# Altium PCB STM32MP25XXAK_LPDDR4_ascii.PcbDoc (part 2 of 5) (continued)
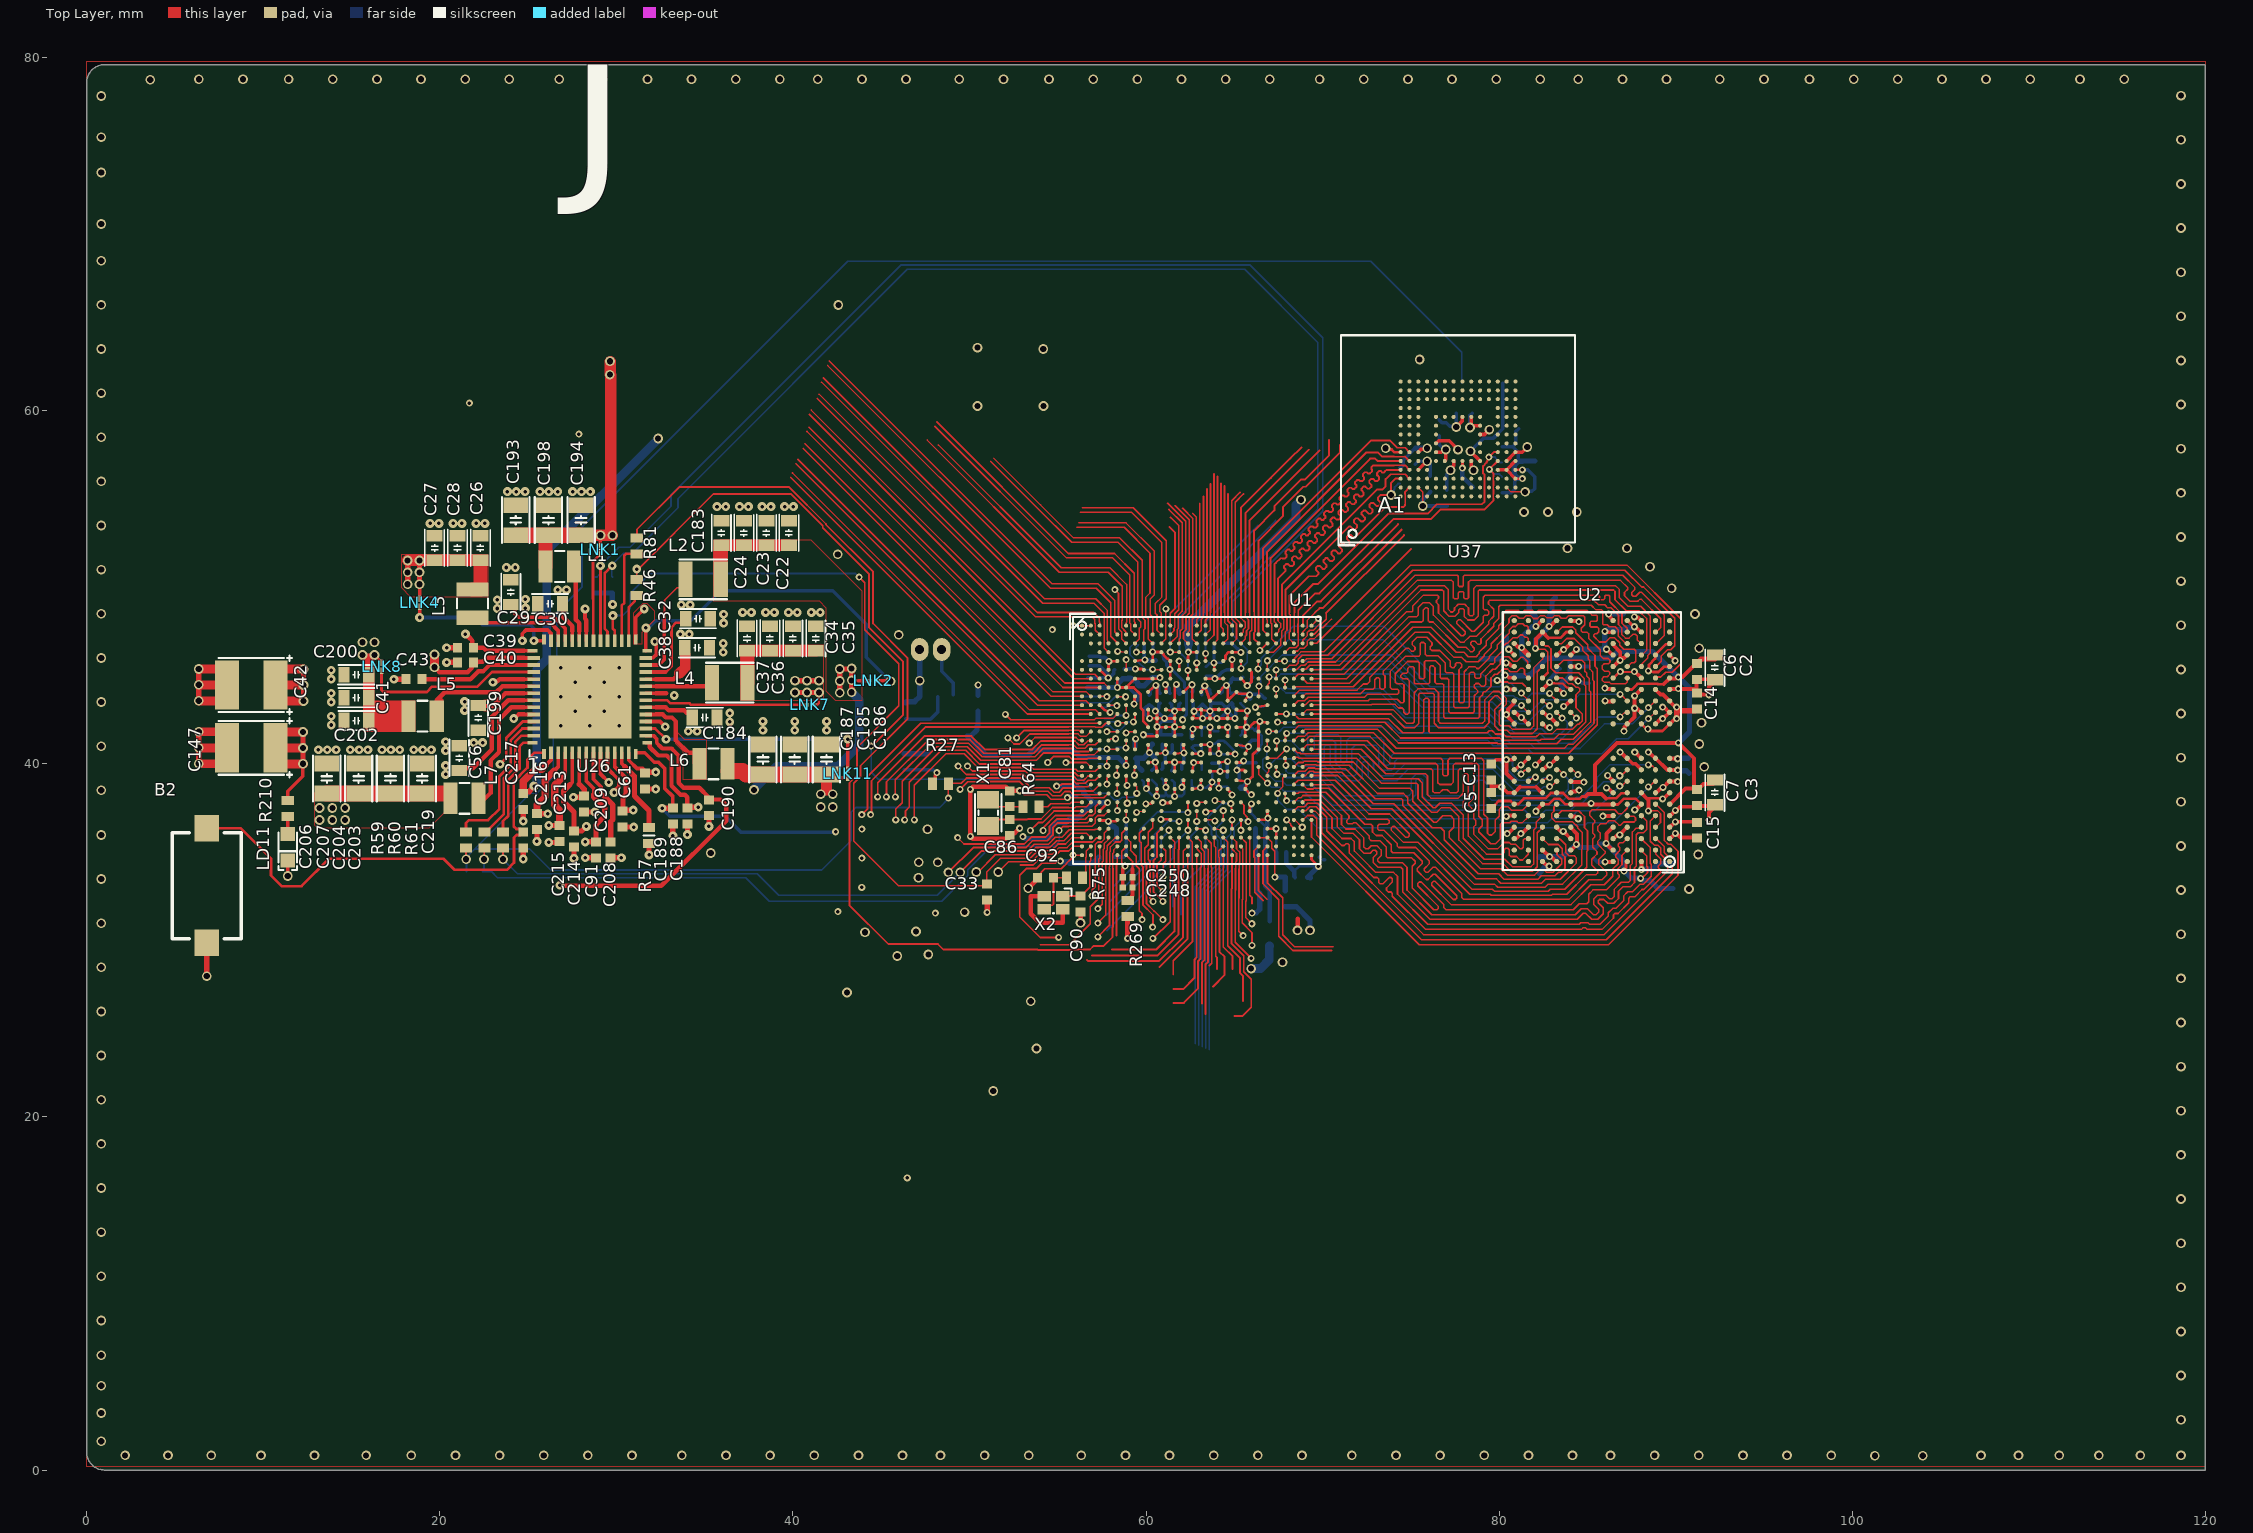
[diagram p0: Top Layer view]
## Nets (pads, with @x,y where several pads share a name; then routed paths per layer and width w, separated by ;. In a path a pad name is that pad's centre, name@x,y a point inside that pad or via, vN(x,y) a via of type N, cw(c..) or ccw(c..) an arc to the next point about the centre after c; other vN are vias at no path point) (continued)
DDR_DQ2_B: U1.F24 U2.V2 | length 29
  Top Layer w0.09: U1.F24@67.875,45.325 68.125,45.575 68.479,45.575 68.625,45.721 68.625,45.929 68.845,46.149 70.294,46.149 75.115,50.97 87.122,50.97 88.076,50.016 88.182,50.016 89.945,48.253 89.945,46.697 89.717,46.469 89.542,46.469 89.187,46.114 89.187,45.804 88.877,45.494 U2.V2@88.859,45.494
DDR_DQ3_A: U1.AC27 U2.F2 | length 30.5
  Top Layer w0.09: U1.AC27@69.375,36.825 69.375,35.856 75.481,29.75 86.194,29.75 90.135,33.691 90.135,35.043 89.738,35.44 89.582,35.44 89.364,35.658 89.364,37.233 88.882,37.715 U2.F2@88.86,37.715
DDR_DQ3_B: U1.E25 U2.U2 | length 29.8
  Top Layer w0.09: U1.E25@68.375,45.825 68.402,45.852 68.402,45.96 68.781,46.339 70.074,46.339 74.995,51.26 87.242,51.26 90.317,48.185 90.317,45.697 89.814,45.194 89.434,45.194 89.159,44.919 88.934,44.919 U2.U2@88.859,44.844
DDR_DQ4_A: U1.W25 U2.F4 | length 29.9
  Top Layer w0.09: U1.W25@68.374,38.826 68.623,39.075 70.717,39.075 72.632,37.16 73.793,37.16 74.916,36.037 74.916,35.923 74.835,35.842 74.699,35.842 74.088,36.454 73.97,36.454 73.882,36.366 73.882,36.249 74.58,35.551 75.401,35.551 78.342,32.61 79.496,32.61 79.557,32.55 82.962,32.55 83.022,32.61 83.838,32.61 84.956,33.728 85.488,33.728 85.578,33.818 85.578,33.949 85.251,34.276 85.251,34.598 85.548,34.895 85.548,35.03 85.309,35.269 85.309,35.744 85.409,35.844 85.409,35.988 85.309,36.088 85.309,36.579 85.409,36.679 85.409,36.791 85.129,37.071 85.129,37.261 85.267,37.399 86.546,37.399 86.783,37.162 86.93,37.162 87.255,37.487 U2.F4@87.255,37.71
DDR_DQ4_B: U1.J25 U2.U4 | length 28.2
  Top Layer w0.09: U1.J25@68.375,43.825 68.375,43.842 68.71,44.177 71.957,44.177 72.305,44.525 72.536,44.525 72.664,44.653 72.664,44.884 75.234,47.454 76.021,47.454 77.447,46.028 77.89,46.028 78.138,45.78 78.821,45.78 79.158,46.117 79.158,46.196 79.557,46.596 79.557,46.81 80.273,47.527 ; 80.274,47.527 80.274,47.693 80.564,47.982 80.564,48.222 80.742,48.4 80.978,48.4 81.135,48.243 81.385,48.243 81.542,48.4 81.778,48.4 81.946,48.233 82.174,48.233 82.342,48.4 82.578,48.4 82.713,48.266 83.007,48.266 83.142,48.4 83.378,48.4 83.524,48.254 83.796,48.254 83.942,48.4 84.767,48.4 84.86,48.307 84.86,47.879 84.656,47.674 84.656,47.525 84.737,47.445 85.004,47.445 85.076,47.373 85.076,47.105 85.724,46.457 85.724,46.142 85.897,45.969 86.184,45.969 86.281,45.871 86.281,45.761 86.197,45.677 85.962,45.677 85.854,45.569 85.854,45.362 85.968,45.247 86.183,45.247 86.258,45.172 86.258,45.067 86.121,44.929 85.936,44.929 85.854,44.847 85.854,44.724 85.948,44.63 86.237,44.63 86.339,44.528 87.147,44.528 87.261,44.641 U2.U4@87.26,44.865
DDR_DQ5_A: U1.W27 U2.E4 | length 29.1
  Top Layer w0.09: U1.W27@69.377,38.829 69.391,38.815 70.567,38.815 72.512,36.87 73.673,36.87 73.773,36.77 73.773,36.667 73.683,36.577 73.207,36.577 73.121,36.491 73.121,36.304 73.196,36.229 73.492,36.229 74.22,35.501 74.222,35.5 74.222,35.345 74.305,35.261 75.28,35.261 75.892,34.65 ; 75.892,34.65 76.055,34.488 76.055,34.351 75.765,34.061 75.765,33.956 75.864,33.857 75.972,33.857 76.263,34.148 76.394,34.148 77.891,32.651 77.891,32.428 77.999,32.32 83.959,32.32 85.076,33.438 85.83,33.438 86.109,33.718 86.109,33.842 85.654,34.297 85.654,34.591 86.003,34.94 86.003,35.041 85.599,35.445 85.599,35.624 85.722,35.747 85.722,36.085 85.599,36.208 85.599,36.457 85.759,36.617 86.055,36.617 86.218,36.78 86.544,36.78 86.791,36.533 86.893,36.533 87.065,36.705 87.645,36.705 87.728,36.787 87.728,36.944 87.646,37.025 87.3,37.025 U2.E4@87.26,37.065
DDR_DQ5_B: U1.H25 U2.V4 | length 27.7
  Top Layer w0.09: U1.H25@68.375,44.325 68.417,44.367 71.737,44.367 75.114,47.744 76.141,47.744 77.568,46.318 78.01,46.318 78.258,46.07 78.701,46.07 78.868,46.237 78.868,46.316 79.267,46.716 79.267,46.954 79.983,47.67 79.984,47.828 80.274,48.117 80.274,48.577 80.387,48.69 81.098,48.69 81.223,48.565 81.297,48.565 81.422,48.69 81.898,48.69 82.022,48.566 82.097,48.566 82.221,48.69 82.698,48.69 82.823,48.565 82.897,48.565 83.022,48.69 83.498,48.69 83.583,48.605 83.623,48.565 83.697,48.565 83.822,48.69 85,48.69 85.261,48.429 85.5,48.429 85.559,48.37 85.559,48.135 85.506,48.082 85.228,48.082 85.15,48.004 85.15,47.804 85.203,47.751 85.561,47.751 85.645,47.667 85.645,47.478 85.537,47.37 85.437,47.37 85.366,47.3 85.366,47.225 85.688,46.904 86.046,46.904 86.274,47.132 86.558,47.132 86.837,46.853 86.837,46.715 87.061,46.491 87.654,46.491 87.742,46.404 87.742,45.81 87.662,45.73 87.506,45.73 87.27,45.494 U2.V4@87.259,45.494
DDR_DQ6_A: U1.W26 U2.C4 | length 29.1
  Top Layer w0.09: U1.W26@68.875,38.825 69.125,38.575 69.479,38.575 69.529,38.625 70.347,38.625 72.392,36.58 72.738,36.58 72.831,36.487 72.831,36.141 73.032,35.939 73.372,35.939 73.897,35.415 73.897,35.054 73.979,34.971 75.16,34.971 75.652,34.479 75.652,34.359 75.366,34.072 75.366,33.946 75.863,33.448 75.973,33.448 76.271,33.746 76.386,33.746 77.601,32.531 77.601,32.389 77.532,32.319 77.402,32.319 76.38,33.341 76.276,33.341 76.18,33.245 76.18,33.13 77.28,32.03 84.079,32.03 85.196,33.148 85.952,33.148 86.441,33.637 ; U2.C4@87.26,35.765 87.037,35.542 86.835,35.542 86.745,35.452 86.745,35.345 86.836,35.254 86.836,35.088 86.605,34.857 86.605,34.723 86.747,34.581 86.747,34.448 86.745,34.446 86.745,34.347 86.44,34.042 86.44,33.638 ; 86.44,33.638 86.441,33.637
DDR_DQ6_B: U1.G26 U2.Y4 | length 25.9
  Top Layer w0.09: U1.G26@68.877,44.829 69.133,44.573 71.533,44.573 74.994,48.034 75.629,48.034 75.7,48.106 75.7,48.718 75.828,48.846 75.923,48.846 75.989,48.779 75.989,48.104 76.059,48.034 76.261,48.034 77.687,46.608 77.972,46.608 78.131,46.608 78.378,46.36 78.502,46.36 78.596,46.455 78.596,46.553 78.391,46.759 78.391,46.862 78.466,46.938 78.634,46.938 78.807,46.765 78.906,46.765 78.977,46.836 78.977,47.074 79.694,47.792 79.694,47.948 79.984,48.238 79.984,48.899 80.065,48.98 85.224,48.98 85.485,48.719 85.811,48.719 85.864,48.666 85.864,47.944 85.932,47.876 86.13,47.876 86.247,47.759 86.577,47.759 86.754,47.582 86.754,47.248 87.208,46.794 U2.Y4@87.259,46.794
DDR_DQ7_A: U1.Y25 U2.B4 | length 29.9
  Top Layer w0.09: U1.Y25@68.375,38.325 68.62,38.325 68.682,38.387 70.174,38.387 71.498,37.064 71.498,36.927 71.365,36.794 71.365,36.68 71.444,36.601 71.698,36.601 71.771,36.674 71.888,36.674 72.636,35.926 72.636,35.768 72.76,35.644 73.257,35.644 73.606,35.296 73.606,34.757 73.682,34.681 75.04,34.681 75.246,34.476 75.246,34.362 75.076,34.192 75.076,32.969 76.305,31.74 76.487,31.74 76.565,31.818 76.565,31.925 75.391,33.098 75.391,33.218 75.481,33.307 75.593,33.307 76.865,32.035 76.865,31.863 76.988,31.74 84.199,31.74 84.54,32.082 84.963,32.082 85.073,32.191 85.073,32.614 85.316,32.858 86.072,32.858 86.807,33.593 86.807,33.701 86.731,33.777 86.731,34.064 86.964,34.297 86.964,34.819 U2.B4@87.26,35.115
DDR_DQ7_B: U1.G25 U2.AA4 | length 28.3
  Top Layer w0.09: U1.G25@68.374,44.826 68.623,45.075 71.214,45.075 74.754,48.614 75.062,48.614 75.12,48.673 75.12,48.958 75.722,49.56 76.504,49.56 76.569,49.494 76.569,49.369 76.455,49.254 76.455,49.134 76.569,49.02 76.569,48.547 77.854,47.262 77.97,47.262 78.08,47.372 78.08,47.483 77.609,47.954 77.609,48.064 77.706,48.161 77.814,48.161 78.456,47.518 78.6,47.518 79.099,48.016 79.099,48.341 79.169,48.412 79.329,48.412 79.403,48.485 79.403,48.642 79.316,48.729 79.17,48.729 79.099,48.8 79.099,49.443 79.216,49.56 85.622,49.56 ; 85.623,49.56 85.69,49.493 85.69,49.367 85.758,49.299 85.914,49.299 85.98,49.365 85.98,49.497 86.043,49.56 86.21,49.56 86.276,49.494 86.276,49.18 86.964,48.492 86.964,47.972 87.259,47.677 U2.AA4@87.259,47.444
DDR_DQ8_A: U1.R27 U2.B11 | length 20.4
  Top Layer w0.09: U1.R27@69.378,40.828 72.189,40.828 73.576,39.44 75.832,39.44 75.945,39.327 75.945,38.257 76.14,38.062 77.697,38.062 77.975,38.34 77.975,39.352 78.063,39.44 78.177,39.44 78.265,39.352 78.265,38.163 77.976,37.874 77.976,37.541 78.258,37.259 78.258,37.23 78.265,37.223 78.265,35.912 79.028,35.149 79.287,34.89 80.187,34.89 80.285,34.988 80.285,35.141 80.36,35.215 80.498,35.215 80.575,35.138 80.575,34.826 80.65,34.751 80.987,34.751 81.183,34.555 81.332,34.555 81.659,34.882 U2.B11@81.66,35.115
DDR_DQ8_B: U1.J26 U2.AA11 | length 23.9
  Top Layer w0.09: U1.J26@68.875,43.825 68.879,43.829 68.915,43.829 69.065,43.979 72.169,43.979 72.425,44.235 72.874,44.235 72.954,44.314 72.954,44.764 73.065,44.875 73.172,44.875 73.243,44.804 73.243,44.315 73.324,44.235 73.454,44.235 73.536,44.316 73.536,44.977 73.449,45.063 73.449,45.259 74.749,46.559 74.863,46.559 75.035,46.387 75.157,46.387 75.235,46.465 75.235,46.605 75.074,46.767 75.074,46.884 75.354,47.164 75.901,47.164 76.198,46.867 76.198,46.72 76.106,46.628 76.106,46.499 76.182,46.423 76.642,46.423 77.239,45.827 77.239,45.535 77.328,45.446 77.425,45.446 77.529,45.55 77.529,45.662 77.605,45.738 77.77,45.738 77.886,45.622 77.886,45.497 77.73,45.342 77.73,43.53 77.8,43.46 77.952,43.46 78.02,43.528 78.02,45.22 78.29,45.49 78.658,45.49 78.748,45.399 78.851,45.399 79.448,45.997 79.448,46.076 79.903,46.531 ; 79.904,46.531 79.904,46.746 80.575,47.417 80.575,47.583 80.771,47.779 80.931,47.779 81.091,47.939 81.34,47.939 81.449,47.83 81.563,47.83 81.659,47.734 U2.AA11@81.66,47.465
DDR_DQ9_A: U1.R26 U2.C11 | length 21.2
  Top Layer w0.09: U1.R26@68.875,40.825 69.125,41.075 72.352,41.075 73.697,39.73 76.134,39.73 76.235,39.629 76.235,38.453 76.336,38.352 76.622,38.352 76.809,38.539 77.063,38.539 77.25,38.352 77.577,38.352 77.685,38.46 77.685,39.625 77.79,39.73 78.453,39.73 78.555,39.628 78.555,38.043 78.292,37.78 78.292,37.635 78.555,37.372 78.555,36.912 78.676,36.791 78.676,36.538 78.555,36.417 78.555,36.032 79.407,35.18 79.914,35.18 ; 79.915,35.181 80.279,35.545 80.578,35.545 80.674,35.449 80.929,35.449 81.182,35.196 81.29,35.196 81.367,35.274 81.367,35.691 81.436,35.759 81.654,35.759 U2.C11@81.66,35.765
DDR_DQ9_B: U1.K25 U2.Y11 | length 23.9
  Top Layer w0.09: U1.K25@68.375,43.325 68.625,43.575 68.984,43.575 69.183,43.774 72.374,43.774 72.545,43.945 74.245,43.945 74.323,44.023 74.323,44.15 74.236,44.237 73.921,44.237 73.826,44.333 73.826,45.226 74.697,46.097 75.451,46.097 75.525,46.172 75.525,46.802 75.598,46.874 75.74,46.874 75.816,46.799 75.816,46.203 75.886,46.133 76.522,46.133 76.949,45.706 76.949,45.225 77.018,45.156 77.361,45.156 77.44,45.077 77.44,43.24 77.51,43.17 78.237,43.17 78.31,43.243 78.31,45.1 78.41,45.2 78.537,45.2 78.629,45.108 78.629,44.919 78.706,44.842 78.874,44.842 78.954,44.923 78.954,45.093 79.515,45.654 79.655,45.654 ; 79.656,45.654 79.765,45.763 79.765,45.982 79.769,45.982 80.194,46.407 80.194,46.626 80.403,46.835 80.477,46.835 80.783,47.142 81.038,47.142 81.196,47.3 81.327,47.3 81.447,47.18 81.577,47.18 81.659,47.097 U2.Y11@81.66,46.815
DDR_DQ10_A: U1.P27 U2.E11 | length 20.4
  Top Layer w0.09: U1.P27@69.377,41.329 69.401,41.305 72.532,41.305 73.817,40.02 76.417,40.02 76.525,39.912 76.525,38.936 76.632,38.829 77.276,38.829 77.395,38.948 77.395,39.902 77.513,40.02 78.731,40.02 78.845,39.906 78.845,37.032 79.049,36.828 79.049,36.501 78.845,36.297 78.845,36.152 79.527,35.47 79.795,35.47 80.08,35.755 80.08,36.576 80.171,36.667 80.608,36.667 80.69,36.749 81.006,36.749 81.1,36.655 81.304,36.655 81.66,37.01 U2.E11@81.66,37.065
DDR_DQ10_B: U1.K26 U2.V11 | length 23.8
  Top Layer w0.09: U1.K26@68.875,43.325 68.898,43.35 69.03,43.35 69.257,43.578 72.588,43.578 72.665,43.655 74.226,43.655 74.426,43.456 74.544,43.456 74.613,43.525 74.613,44.465 74.55,44.527 74.217,44.527 74.116,44.629 74.116,45.105 74.809,45.799 75.413,45.799 75.484,45.728 75.484,44.878 75.536,44.825 75.722,44.825 75.775,44.878 75.775,45.768 75.85,45.843 76.402,45.843 76.659,45.586 76.659,44.906 76.729,44.836 77.082,44.836 77.15,44.768 77.15,42.954 77.224,42.88 78.527,42.88 78.6,42.953 78.6,43.859 78.782,44.041 78.782,44.151 78.6,44.333 78.6,44.461 78.691,44.552 78.848,44.552 79.015,44.385 79.126,44.385 79.253,44.512 79.253,44.982 79.635,45.364 79.776,45.364 80.055,45.643 80.055,45.862 80.257,46.064 80.543,46.064 80.798,45.809 81.011,45.809 81.231,46.029 81.379,46.029 81.62,45.788 81.62,45.554 U2.V11@81.66,45.515
DDR_DQ11_A: U1.P26 U2.F11 | length 20.8
  Top Layer w0.09: U1.P26@68.875,41.325 68.889,41.339 69.035,41.339 69.271,41.575 69.638,41.575 69.658,41.555 72.692,41.555 73.937,40.31 76.699,40.31 76.815,40.194 76.815,39.398 76.897,39.316 77.031,39.316 77.105,39.39 77.105,40.203 77.212,40.31 79.002,40.31 79.135,40.177 79.135,37.152 79.342,36.945 79.342,36.066 79.439,35.968 79.583,35.968 79.779,36.165 79.779,36.816 80.002,37.04 80.002,37.417 80.155,37.569 80.502,37.569 80.697,37.374 81.331,37.374 U2.F11@81.666,37.709
DDR_DQ11_B: U1.K27 U2.U11 | length 23.1
  Top Layer w0.09: U1.K27@69.377,43.329 69.388,43.34 72.76,43.34 72.785,43.365 74.106,43.365 74.305,43.166 74.514,43.166 74.604,43.076 74.604,42.916 74.709,42.81 74.817,42.81 74.903,42.896 74.903,44.715 74.801,44.817 74.539,44.817 74.441,44.915 74.441,45.021 74.554,45.134 74.755,45.134 74.835,45.214 74.835,45.415 74.929,45.509 75.106,45.509 75.194,45.421 75.194,44.6 75.259,44.535 75.994,44.535 76.065,44.606 76.065,45.473 76.145,45.553 76.244,45.553 76.369,45.428 76.369,44.616 76.438,44.546 76.788,44.546 76.86,44.474 76.86,42.666 76.937,42.59 78.805,42.59 78.89,42.675 78.89,43.739 79.072,43.921 79.072,44.007 79.16,44.095 79.246,44.095 79.543,44.392 79.543,44.861 79.756,45.074 ; 79.757,45.074 79.896,45.074 80.196,45.374 80.482,45.374 80.636,45.22 81.018,45.22 81.212,45.414 81.35,45.414 81.44,45.324 81.44,45.085 U2.U11@81.66,44.865
DDR_DQ12_A: U1.V26 U2.F9 | length 24
  Top Layer w0.09: U1.V26@68.875,39.325 68.889,39.339 69.035,39.339 69.271,39.575 69.479,39.575 69.525,39.529 71.083,39.529 72.872,37.74 74.033,37.74 78.583,33.19 78.607,33.19 79.737,33.19 79.918,33.01 82.602,33.01 82.782,33.19 83.598,33.19 84.671,34.263 84.671,35.154 84.72,35.203 84.72,36.094 84.451,36.363 84.451,36.43 84.168,36.713 83.209,36.713 82.975,36.947 82.975,37.183 83.112,37.32 83.112,37.567 U2.F9@83.26,37.715
DDR_DQ12_B: U1.L25 U2.U9 | length 24.7
  Top Layer w0.09: U1.L25@68.375,42.825 68.381,42.825 68.647,42.559 73.739,42.559 74.537,41.76 75.661,41.76 75.74,41.839 75.74,43.628 75.817,43.705 75.956,43.705 76.03,43.631 76.03,41.834 76.105,41.76 79.329,41.76 79.441,41.872 79.607,41.872 79.791,41.689 ; 79.792,41.689 80.248,41.689 80.408,41.529 82.109,41.529 82.275,41.695 83.003,41.695 83.277,41.969 84.169,41.969 84.445,42.244 84.517,42.244 84.719,42.446 84.719,42.814 84.355,43.178 84.355,43.916 84.569,44.13 84.569,44.254 84.476,44.347 84.354,44.347 84.352,44.349 84.336,44.349 84.145,44.54 83.927,44.54 83.602,44.865 U2.U9@83.26,44.865
DDR_DQ13_A: U1.V27 U2.E9 | length 23.7
  Top Layer w0.09: U1.V27@69.377,39.329 69.387,39.339 70.863,39.339 72.752,37.45 73.913,37.45 78.462,32.9 78.465,32.9 79.616,32.9 79.737,32.78 ; 79.738,32.78 82.782,32.78 82.902,32.9 83.718,32.9 84.961,34.143 84.961,35.027 85.01,35.075 85.01,36.214 84.839,36.385 84.839,37.024 84.513,37.35 83.545,37.35 U2.E9@83.26,37.065
DDR_DQ13_B: U1.N25 U2.V9 | length 23.2
  Top Layer w0.09: U1.N25@68.377,41.829 68.377,41.891 68.653,42.167 73.311,42.167 74.297,41.18 79.884,41.18 ; 79.886,41.18 79.921,41.144 83.272,41.144 83.517,41.389 84.204,41.389 85.184,42.369 85.184,44.071 85.1,44.155 85.1,44.832 84.977,44.955 84.977,45.126 84.854,45.249 84.854,45.713 84.698,45.869 83.648,45.869 83.273,45.494 U2.V9@83.259,45.494
DDR_DQ14_A: U1.V25 U2.C9 | length 21.7
  Top Layer w0.09: U1.V25@68.374,39.326 68.623,39.575 69.003,39.575 69.193,39.765 69.557,39.765 69.603,39.719 71.303,39.719 72.992,38.03 74.466,38.03 74.535,37.961 74.535,37.648 78.703,33.48 79.858,33.48 80.098,33.24 82.4,33.24 82.63,33.47 83.468,33.47 84.381,34.383 84.381,34.666 84.25,34.797 83.958,34.797 83.775,34.98 83.775,35.413 83.463,35.725 83.3,35.725 U2.C9@83.26,35.765
DDR_DQ14_B: U1.N26 U2.Y9 | length 24
  Top Layer w0.09: U1.N26@68.875,41.825 69.008,41.958 73.109,41.958 74.177,40.89 83.701,40.89 83.91,41.099 84.183,41.099 85.374,42.29 85.374,44.689 85.307,44.756 85.307,45.206 85.144,45.369 85.144,45.833 85.044,45.933 85.044,46.117 84.729,46.432 84.729,46.632 84.725,46.632 84.257,47.1 83.84,47.1 83.554,46.814 U2.Y9@83.26,46.815
DDR_DQ15_A: U1.U25 U2.B9 | length 20.8
  Top Layer w0.09: U1.U25@68.377,39.829 68.625,40.077 68.894,40.077 68.956,40.14 69.692,40.14 69.727,40.104 71.739,40.104 73.233,38.61 74.955,38.61 75.115,38.45 75.115,37.888 76.306,36.697 76.458,36.697 76.816,37.055 77.259,37.055 77.435,36.879 77.435,36.413 77.178,36.156 77.178,35.825 78.943,34.06 80.098,34.06 80.458,33.7 82.011,33.7 82.293,33.982 82.56,33.982 82.687,33.855 83.053,33.855 83.545,34.347 83.545,34.593 83.28,34.858 83.28,35.073 U2.B9@83.259,35.094
DDR_DQ15_B: U1.P25 U2.AA9 | length 25.7
  Top Layer w0.09: U1.P25@68.374,41.326 68.623,41.575 69.003,41.575 69.193,41.765 72.892,41.765 74.057,40.6 83.953,40.6 85.564,42.211 85.564,45.392 85.434,45.522 85.434,46.138 85.019,46.553 85.019,46.752 84.345,47.426 84.345,47.583 84.178,47.75 83.572,47.75 U2.AA9@83.266,47.444
DDR_DQMI0_A: U1.AB25 U2.C3 | length 28.3
  Top Layer w0.09: U1.AB25@68.375,37.325 68.375,37.336 68.614,37.575 68.979,37.575 69.169,37.765 69.722,37.765 70.535,36.952 70.535,36.336 71.1,35.771 71.617,35.771 71.806,35.582 71.806,35.066 72.238,34.633 73.02,33.851 74.022,33.851 74.246,33.627 74.246,32.625 75.961,30.91 84.543,30.91 84.628,30.995 85.037,30.995 85.122,30.91 85.714,30.91 86.19,31.386 86.19,31.567 86.434,31.811 86.615,31.811 87.053,32.249 87.053,32.512 87.295,32.754 87.558,32.754 87.975,33.171 88.159,33.171 88.619,33.632 88.619,34.303 88.559,34.363 88.559,35.266 U2.C3@88.06,35.765
DDR_DQMI0_B: U1.G27 U2.Y3 | length 25.8
  Top Layer w0.09: U1.G27@69.377,44.829 71.378,44.829 74.874,48.324 75.323,48.324 75.41,48.412 75.41,48.838 75.708,49.136 76.043,49.136 76.279,48.9 76.279,48.426 77.807,46.898 78.017,46.898 78.346,47.228 78.721,47.228 79.403,47.911 79.403,48.068 79.693,48.358 ; 79.694,48.358 79.694,48.761 79.398,49.057 79.398,49.19 79.478,49.27 85.368,49.27 ; 85.369,49.27 85.63,49.009 85.981,49.009 86.156,48.834 86.353,48.834 86.764,48.423 86.764,47.889 86.952,47.701 86.952,47.333 87.16,47.126 87.365,47.126 87.587,47.347 87.719,47.347 87.815,47.251 87.815,47.033 88.034,46.815 U2.Y3@88.06,46.815
DDR_DQMI1_A: U1.U26 U2.C10 | length 20.8
  Top Layer w0.09: U1.U26@68.875,39.825 68.91,39.825 69.038,39.953 69.624,39.953 69.663,39.914 71.519,39.914 73.113,38.32 74.586,38.32 74.825,38.081 74.825,37.768 76.209,36.384 76.689,36.384 76.888,36.185 76.888,35.705 78.823,33.77 79.978,33.77 80.278,33.47 82.204,33.47 82.394,33.66 83.161,33.66 83.351,33.85 83.492,33.85 83.735,34.093 83.735,34.722 83.584,34.873 83.584,35.194 83.347,35.431 82.794,35.431 U2.C10@82.46,35.765
DDR_DQMI1_B: U1.M25 U2.Y10 | length 23.7
  Top Layer w0.09: U1.M25@68.375,42.325 68.378,42.328 68.545,42.328 68.571,42.353 73.528,42.353 74.414,41.467 80.047,41.467 80.177,41.336 82.326,41.336 82.392,41.402 83.12,41.402 83.394,41.676 84.218,41.676 84.906,42.364 84.906,44.41 84.824,44.492 84.824,44.837 84.505,45.156 83.205,45.156 82.941,45.42 82.941,46.51 82.778,46.673 82.618,46.673 82.479,46.812 U2.Y10@82.463,46.812
DDR_DQS0_A_N: U1.AA26 U2.E3 | length 30.5
  Top Layer w0.09: U1.AA26@68.875,37.825 68.875,37.832 68.998,37.955 69.843,37.955 70.825,36.973 70.825,36.456 71.22,36.061 71.737,36.061 72.096,35.702 72.096,35.186 72.346,34.935 72.695,34.935 72.863,35.104 72.982,35.104 73.066,35.02 73.066,34.896 72.882,34.712 72.882,34.399 73.14,34.141 74.43,34.141 74.536,34.036 74.536,32.746 76.081,31.2 84.422,31.2 84.764,31.542 84.9,31.542 85.242,31.2 85.594,31.2 85.9,31.506 85.9,31.852 85.613,32.139 85.613,32.242 85.688,32.318 85.933,32.318 86.149,32.101 86.495,32.101 86.763,32.369 86.763,32.785 87.022,33.044 87.438,33.044 87.671,33.277 87.671,34.119 87.764,34.212 87.764,35.978 87.885,36.099 88.181,36.099 88.354,36.272 88.354,36.771 U2.E3@88.06,37.065
DDR_DQS0_A_P: U1.AA25 U2.D3 | length 29.9
  Top Layer w0.09: U1.AA25@68.375,37.825 68.62,38.07 68.76,38.07 68.894,38.205 69.947,38.205 71.075,37.077 71.075,36.56 71.324,36.311 71.841,36.311 72.346,35.806 72.346,35.289 72.449,35.185 72.591,35.185 72.76,35.354 73.086,35.354 73.316,35.124 73.316,34.792 73.132,34.608 73.132,34.503 73.243,34.391 74.534,34.391 74.786,34.139 74.786,32.849 76.185,31.45 84.319,31.45 84.66,31.792 85.004,31.792 85.345,31.45 85.49,31.45 85.65,31.609 85.65,31.748 85.363,32.035 85.363,32.346 85.584,32.568 86.037,32.568 86.253,32.351 86.392,32.351 86.513,32.473 86.513,32.888 86.919,33.294 87.334,33.294 87.421,33.381 87.421,34.223 87.554,34.356 87.554,36.145 87.758,36.349 87.937,36.349 88.003,36.415 U2.D3@88.06,36.415
DDR_DQS0_B_N: U1.F26 U2.V3 | length 29.3
  Top Layer w0.09: U1.F26@68.877,45.329 68.904,45.356 69.05,45.356 69.273,45.579 70.955,45.579 75.475,50.1 76.893,50.1 77.109,49.883 77.109,48.77 77.278,48.602 77.383,48.602 77.477,48.696 77.477,48.829 77.692,49.044 78.052,49.044 78.269,48.827 78.269,48.469 78.34,48.398 78.492,48.398 78.559,48.465 78.559,49.937 78.722,50.1 86.587,50.1 86.816,49.872 86.816,49.404 87.299,48.92 88.022,48.92 88.564,48.378 88.564,46.284 88.414,46.134 88.414,45.997 88.093,45.676 88.093,45.528 U2.V3@88.059,45.494
DDR_DQS0_B_P: U1.F27 U2.W3 | length 27.5
  Top Layer w0.09: U1.F27@69.377,45.329 71.058,45.329 75.579,49.85 76.789,49.85 ; 76.795,49.843 76.859,49.78 76.859,48.667 77.174,48.352 77.487,48.352 77.727,48.592 77.727,48.726 77.795,48.794 77.949,48.794 78.019,48.724 78.019,48.366 78.236,48.148 78.595,48.148 78.809,48.362 78.809,49.777 78.882,49.85 86.484,49.85 86.566,49.768 86.566,49.3 87.196,48.67 87.918,48.67 88.354,48.234 88.354,46.427 88.071,46.144 U2.W3@88.059,46.144
DDR_DQS1_A_N: U1.R25 U2.E10 | length 20.8
  Top Layer w0.09: U1.R25@68.375,40.825 68.392,40.825 68.584,40.633 68.713,40.633 68.771,40.575 72.031,40.575 73.456,39.15 75.427,39.15 75.655,38.922 75.655,38.127 76.271,37.511 76.377,37.511 76.638,37.772 77.306,37.772 77.975,37.103 77.975,35.792 79.167,34.6 80.32,34.6 ; 80.321,34.601 80.742,34.18 81.812,34.18 81.954,34.322 81.954,36.243 82.104,36.393 82.104,36.709 U2.E10@82.46,37.065
DDR_DQS1_A_P: U1.T25 U2.D10 | length 20.4
  Top Layer w0.09: U1.T25@68.375,40.325 68.413,40.325 68.471,40.383 68.61,40.383 68.668,40.325 71.928,40.325 73.28,38.973 73.353,38.9 75.323,38.9 75.405,38.818 75.405,38.024 76.168,37.261 76.481,37.261 76.742,37.522 77.202,37.522 77.725,36.999 77.725,35.689 79.063,34.35 80.217,34.35 ; 80.218,34.351 80.638,33.93 81.916,33.93 82.164,34.178 82.164,36.099 U2.D10@82.459,36.394
DDR_DQS1_B_N: U1.L27 U2.V10 | length 24.1
  Top Layer w0.09: U1.L27@69.377,42.825 73.816,42.825 ; 73.827,42.825 73.883,42.825 74.658,42.05 75.208,42.05 75.443,42.285 75.443,43.927 75.511,43.995 76.251,43.995 76.32,43.926 76.32,42.298 76.569,42.05 79.156,42.05 79.43,42.324 79.43,43.515 79.765,43.85 ; 79.766,43.85 79.912,43.85 80.167,43.596 80.167,43.491 79.764,43.088 79.764,42.127 79.984,41.907 80.447,41.907 80.633,41.72 81.89,41.72 82.164,41.994 82.164,45.219 U2.V10@82.46,45.515
DDR_DQS1_B_P: U1.L26 U2.W10 | length 25.1
  Top Layer w0.09: U1.L26@68.877,42.829 68.879,42.829 69.125,43.075 73.986,43.075 74.761,42.3 75.105,42.3 75.193,42.388 75.193,44.031 75.407,44.245 76.355,44.245 76.57,44.03 76.57,42.402 76.672,42.3 79.052,42.3 79.18,42.427 79.18,43.618 79.662,44.1 ; 79.663,44.1 80.016,44.1 80.417,43.699 80.417,43.387 80.014,42.984 80.014,42.23 80.088,42.157 80.55,42.157 80.737,41.97 81.786,41.97 81.954,42.138 81.954,45.427 82.464,45.937 82.464,46.161 U2.W10@82.46,46.165
DDR_RESETN: R42.2 U1.E21 U2.T11 | length 18.5
  Top Layer w0.09: v2(66.35,45.375) 66.369,45.394 U1.E21@66.369,45.819 ; v4@79.881,44.707 79.994,44.707 80.065,44.636 80.492,44.636 80.562,44.565 81.31,44.565 U2.T11@81.66,44.215
  Bottom Layer w0.09: v2@66.35,45.35 v2@66.35,45.434 ; v2@66.351,45.429 66.53,45.608 66.53,45.984 66.732,46.186 66.738,46.186 68.347,47.795 73.474,47.795 76.199,45.069 79.066,45.069 79.415,44.719 v4@79.895,44.719
  other v4: 79.895,44.725
eMMC.SDMMC2_CK: R103.1 U1.B25 U37.M6 | length 19.1
  Top Layer w0.09: U1.B25@68.375,47.325 68.402,47.352 68.402,48.575 ; 79.175,55.037 79.175,55.273 ; 79.175,55.537 79.175,55.773 ; 79.175,56.037 79.175,56.273
  Top Layer w0.11: 68.402,48.575 68.402,49.127 69.459,50.184 69.734,50.184 73.725,54.175 75.95,54.175 76.481,54.706 79.022,54.706 79.175,54.858 79.175,55.037 ; 79.175,55.273 79.175,55.405 ; 79.175,55.407 79.175,55.537 ; 79.175,55.773 79.175,55.905 ; 79.175,55.907 79.175,56.037 ; 79.175,56.273 79.175,56.372 79.095,56.452 79.095,56.87 79.281,57.056 v2(79.425,57.375) 79.705,57.655 U37.M6@79.925,57.655
  Bottom Layer w0.11: v2(79.425,57.375) 79.762,57.375 80.076,57.061 R103.1@80.171,57.061
eMMC.SDMMC2_CMD: R104.1 U1.D24 U37.M5 | length 20
  Top Layer w0.09: U1.D24@67.875,46.325 68.125,46.575 68.479,46.575 68.625,46.721 68.625,47.429 68.615,47.439 68.615,47.453 ; 79.675,55.037 79.675,55.273 ; 79.675,55.537 79.675,55.773 ; 79.675,56.037 79.675,56.273
  Top Layer w0.11: 68.616,47.451 68.615,47.453 68.615,47.933 68.625,47.943 68.625,48.699 69.588,49.662 69.816,49.662 74.029,53.875 76.15,53.875 76.674,54.399 79.162,54.399 79.675,54.911 79.675,55.037 ; 79.675,55.273 79.675,55.405 ; 79.675,55.407 79.675,55.537 ; 79.675,55.773 79.675,55.905 ; 79.675,55.907 79.675,56.037 ; 79.675,56.273 79.675,56.46 v2(79.45,56.685) U37.M5@79.92,57.155
  Bottom Layer w0.11: v2(79.45,56.685) 79.724,56.411 80.019,56.411 R104.1@80.175,56.255
eMMC.SDMMC2_D0: R101.1 U1.C24 U37.A3 | length 16
  Top Layer w0.09: U1.C24@67.875,46.825 67.88,46.83 67.88,47.467 67.985,47.572 67.985,48.335 67.902,48.418 67.902,48.575
  Top Layer w0.11: 67.902,48.575 67.902,49.85 71.229,53.177 71.487,53.435 71.597,53.435 71.743,53.289 71.852,53.289 71.962,53.399 71.962,53.508 71.778,53.692 71.778,53.801 71.888,53.911 71.998,53.911 72.181,53.727 72.291,53.727 72.4,53.837 72.4,53.947 72.217,54.13 72.217,54.24 72.326,54.349 72.436,54.349 72.62,54.166 72.729,54.166 72.839,54.275 72.839,54.385 72.655,54.569 72.655,54.678 72.765,54.788 72.874,54.788 73.058,54.604 73.168,54.604 73.277,54.714 73.277,54.823 73.131,54.969 73.131,55.079 73.279,55.227 v1(73.884,55.227) 73.884,55.909 74.13,56.155 U37.A3@74.425,56.155
  Bottom Layer w0.11: v1(73.884,55.227) 73.884,55.34 74.056,55.512 74.056,55.556 74.08,55.58 74.08,55.675 74.28,55.875 R101.1@74.375,55.875
eMMC.SDMMC2_D1: U1.B23 U37.A4 | length 18.8
  Top Layer w0.09: U1.B23@67.375,47.325 67.375,47.357 67.52,47.502 67.52,47.616 67.625,47.721 67.625,47.952 67.479,48.098 67.479,48.575
  Top Layer w0.11: 67.479,48.575 67.479,50.504 67.856,50.881 67.895,50.92 67.895,51.03 67.824,51.101 67.824,51.21 67.934,51.32 68.044,51.32 68.165,51.199 68.274,51.199 68.384,51.308 68.384,51.418 68.263,51.539 68.263,51.649 68.372,51.758 68.482,51.758 68.603,51.637 68.713,51.637 68.822,51.747 68.822,51.856 68.701,51.977 68.701,52.087 68.811,52.197 68.92,52.197 69.042,52.075 69.151,52.075 69.261,52.185 69.261,52.295 69.14,52.416 69.14,52.525 69.249,52.635 69.359,52.635 69.48,52.514 69.59,52.514 69.699,52.623 69.699,52.733 69.578,52.854 69.578,52.964 69.688,53.073 69.797,53.073 69.918,52.952 70.028,52.952 70.138,53.062 70.138,53.171 70.016,53.293 70.016,53.402 70.126,53.512 70.236,53.512 70.357,53.391 70.466,53.391 70.576,53.5 70.576,53.61 70.455,53.731 70.455,53.841 70.564,53.95 70.674,53.95 70.795,53.829 70.905,53.829 71.014,53.939 71.014,54.048 70.893,54.169 70.893,54.279 71.003,54.389 71.112,54.389 71.234,54.267 71.343,54.267 71.453,54.377 71.453,54.487 71.332,54.608 71.332,54.718 71.441,54.827 71.551,54.827 71.672,54.706 71.782,54.706 71.891,54.815 71.891,54.925 71.77,55.046 71.77,55.156 71.88,55.266 71.989,55.266 72.11,55.144 72.22,55.144 72.33,55.254 72.33,55.363 72.208,55.485 72.208,55.594 72.318,55.704 72.428,55.704 72.549,55.583 72.658,55.583 72.768,55.692 72.768,55.802 72.647,55.923 72.647,56.033 72.756,56.142 72.866,56.142 72.987,56.021 73.097,56.021 73.206,56.131 73.206,56.24 73.085,56.362 73.085,56.471 73.195,56.581 73.304,56.581 73.375,56.51 73.485,56.51 73.536,56.561 73.63,56.655 U37.A4@74.425,56.655
eMMC.SDMMC2_D2: U1.C23 U37.A5 | length 14.7
  Top Layer w0.09: 67.055,48.395 67.055,47.999 67.125,47.929 67.125,47.075 U1.C23@67.375,46.825
  Top Layer w0.11: 67.054,48.395 67.057,48.398 67.057,51.657 72.691,57.291 72.984,57.291 73.12,57.155 74.056,57.155 U37.A5@74.425,57.155